# KiCad board BUDDY_v1.0.0.kicad_pcb (continued)
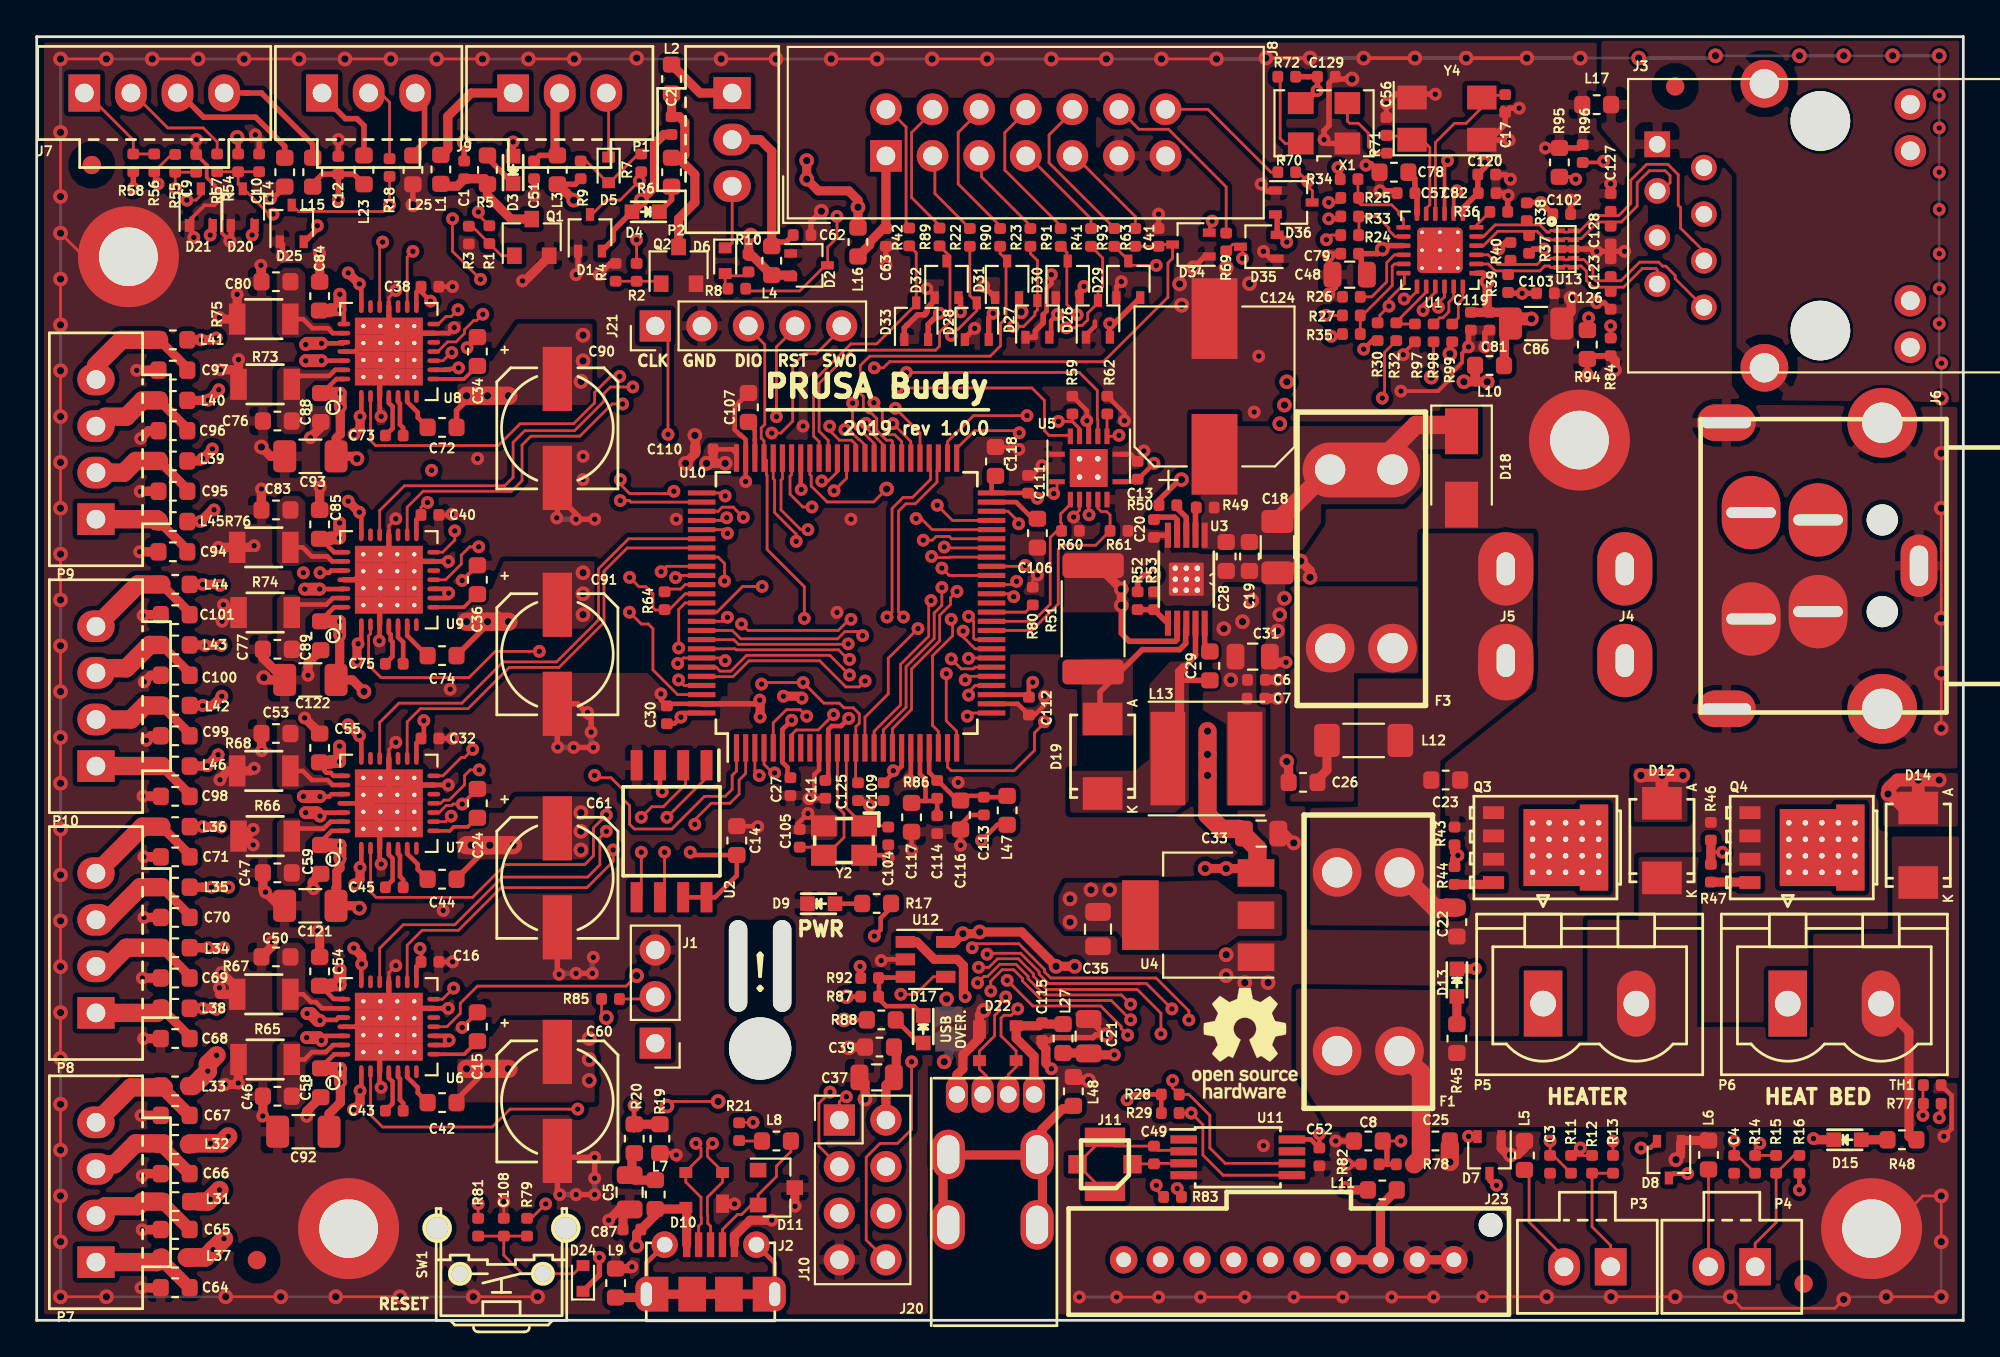
[diagram p0: board, top side]
## Routing (per net, layer and track width the routed paths; a pad name or vN(x,y) marks a point on that pad's centre or on a via; arc(x,y) is an arc through that point) (continued)
/CPU/BOOT0: length 63
  Top w0.15: v2(37.52,35.97) 37.37,36.12 U10.94 35.24,36.12 v2(34.93,35.82) ; v1(31.04,16.51) 30.79,16.76 R85.2
  In2.Cu w0.15: v2(37.52,35.97) 38.03,35.46 38.03,23.11 39.3,21.84 39.3,17.52 39.43,17.4 39.62,17.59 39.62,22.03 38.41,23.24 38.41,32.51 38.8,32.9 v2(39.43,32.9)
  In4.Cu w0.15: v1(31.04,16.51) 31.04,18.29 32.31,19.56 32.31,22.9 34.37,24.95 34.5,24.95 34.92,25.38 34.92,27.71 34.62,28.01 34.06,28.01 33.44,28.62 33.44,34.82 34.44,35.82 v2(34.93,35.82)
/CPU/NRST: length 97.3
  Top w0.15: v1(37.14,11.94) 34.6,11.94 v1(34.35,11.68) ; v2(27.74,6.35) 26.96,5.56 R79.2 ; v2(45.65,51.94) 46.14,51.94 46.48,52.28 58.14,52.28 61.65,55.79 61.65,57.66 61.91,57.91 D34.3 61.24,58.66 C41.1 R63.2 ; v2(40.31,49.27) 40.31,53.08 41.33,54.1 ; v2(39.51,34.69) 39.59,34.78 v2(41.77,34.78) 42.9,33.65 43.74,33.65 44,33.4 44.51,33.4 44.83,33.07 44.83,32.56 44.64,32.37 U10.14 44.63,31.21 44.63,29.44 C125.1
  In4.Cu w0.15: v1(37.14,11.94) 37.14,12.5 37.41,12.78 37.41,21.73 37.98,22.3 37.98,30.6 38.01,30.63 38.01,33.24 39.11,34.34 39.16,34.34 v2(39.51,34.69) ; v2(45.65,51.94) 45.3,52.29 43.14,52.29 41.33,54.1 ; v2(40.31,49.27) 42.15,47.44 42.15,45.68 42.24,45.58 42.24,45.21 42.91,44.55 42.91,42.01 42.41,41.51 42.41,38 41.77,37.36 v2(41.77,34.78) ; v2(27.74,6.35) 27.81,6.28 30.68,6.28 32.19,7.79 32.19,10.03 33.84,11.68 v1(34.35,11.68)
/CPU/PA4_THERM-1: length 63.8
  Top w0.15: R14.2 92.69,8.99 C4.2 v2(92.51,9.78) ; U10.29 51.14,34.62 50.79,34.27 v2(50.79,34.1)
  In4.Cu w0.15: v2(50.79,34.1) 51.17,34.1 54.09,31.18 54.09,30.13 56.69,27.52 75.11,27.52 76.58,26.05 76.58,24.95 76.6,24.93 76.6,13.24 79.43,10.41 91.88,10.41 v2(92.51,9.78)
/CPU/PA5_THERM-2: length 75.4
  Top w0.15: v2(50.6,34.92) 50.8,35.12 U10.30 ; 102.8,12.83 v2(102.8,11.17)
  In4.Cu w0.15: v2(50.6,34.92) 51.1,34.92 52.97,33.05 52.97,32.72 54.39,31.3 54.39,30.25 56.82,27.82 75.23,27.82 76.88,26.17 76.88,25.08 76.9,25.05 76.9,13.5 79.61,10.79 94.42,10.79 96.45,8.76 100.39,8.76 v2(102.8,11.17)
/CPU/PA6_THERM-PINDA: length 68.7
  Top w0.15: v2(49.85,36.07) 50.39,35.53 51.05,35.53 51.14,35.62 U10.31 ; v2(7.55,61.72) R55.2 C9.2
  In4.Cu w0.15: v2(7.55,61.72) 8.04,62.22 29.53,62.22 31.34,60.41 41.47,60.41 48.27,53.6 48.27,51.29 47.83,50.85 47.83,48.8 47,47.97 47,45.09 46.45,44.54 46.45,43.08 47.43,42.1 47.43,39.75 48.46,38.72 48.46,38.33 49.85,36.94 v2(49.85,36.07)
/CPU/PA8_Z-MIN: length 60
  Top w0.15: R57.2 R54.1 ; R54.1 10.98,61.96 D20.3 11.23,61.72 11.27,61.72 12.66,60.32 v2(12.88,60.32) ; R54.1 C10.1 ; U10.67 42.14,46.12 42.21,46.05 42.21,45.49 43.08,44.63 45.61,44.63 v1(46.32,45.34)
  In4.Cu w0.15: v2(12.88,60.32) 14.47,61.92 29.36,61.92 31.17,60.11 41.34,60.11 47.97,53.47 47.97,51.42 47.53,50.97 47.53,48.93 46.32,47.71 v1(46.32,45.34)
/CPU/PA9_USB-FS-VBUS: length 41.8
  Top w0.25: U10.68 41.64,45.33 v2(41.67,45.31) ; v2(32.56,11.71) 32.56,10.35
  Top w0.5: 32.44,10.69 33.84,10.69
  In4.Cu w0.25: v2(41.67,45.31) 40.17,43.81 40.17,37.68 36.61,34.13 36.61,22.95 36.11,22.44 36.11,15.26 v2(32.56,11.71)
/CPU/PA10_USB-FS-ID: length 42.9
  Top w0.15: v2(39.05,10.79) 38.31,10.79 R21.1 38.18,10.67 ; U10.69 41.14,46.12 41.06,46.04 41.06,45.05 41.76,44.35 v2(42.25,44.35)
  In4.Cu w0.15: v2(39.05,10.79) 37.14,10.79 36.38,11.56 36.38,13.5 37.11,14.23 37.11,21.85 37.65,22.39 37.65,33.74 41.17,37.27 41.17,40.7 42.61,42.13 42.61,44 v2(42.25,44.35)
/CPU/PB5: length 57
  Top w0.15: v2(52,17.95) 52,18.5 52.61,19.12 53.25,19.12 53.73,18.63 53.73,18.51 54.79,17.44 58.56,17.44 v2(59.62,16.39) ; U10.91 37.91,37.62 38.37,37.16 43.65,37.16 44.05,37.56 44.79,37.56 v2(45.01,37.34)
  In4.Cu w0.15: v2(45.01,37.34) 47.16,35.19 47.16,33.92 49.84,31.24 51.28,31.24 52.22,30.31 52.22,29.12 53.49,27.85 53.49,19.99 52,18.5 v2(52,17.95) ; v2(59.62,16.39) 60.38,15.63 60.38,4.16 J23.2
/CPU/PB8_SCL: length 68.4
  Top w0.15: v2(61.87,16.98) 60.48,18.37 55.14,18.37 54.63,18.88 54.63,19.01 53.62,20.02 51.85,20.02 v2(51.8,19.96) ; v2(44.3,35.19) 43.23,36.26 38.69,36.26 37.83,35.4 37.24,35.4 37.02,35.62 U10.95 ; U11.6 64.77,8.56 63.94,9.4 63.94,11.17 62.79,12.32 R28.1 61.91,12.68 v2(61.91,13.08)
  In4.Cu w0.15: v2(44.3,35.19) 44.65,35.54 45.28,35.54 46.26,34.57 46.26,33.34 49.39,30.21 50.79,30.21 51.24,29.76 51.24,28.49 52.55,27.17 52.55,20.33 52.19,19.96 v2(51.8,19.96) ; J23.5 65.59,4.95 63.3,4.95 62.79,5.46 62.79,7.75 61.91,8.63 v2(61.91,13.08) 61.91,16.95 v2(61.87,16.98)
/CPU/PB9_SDA: length 69.8
  Top w0.15: v2(62.79,16.38) 62.79,16.88 61,18.67 55.26,18.67 54.93,19 54.93,19.13 53.52,20.54 51.21,20.54 v2(50.98,20.32) ; U11.5 64.66,7.91 63.56,9.02 63.56,10.67 v2(62.92,11.3) R29.1 ; U10.96 36.26,35.1 37.95,35.1 38.81,35.96 42.68,35.96 44.1,34.54 44.83,34.54 v2(45.15,34.86)
  In4.Cu w0.15: J23.6 69.24,3.72 68.51,4.44 66.73,4.44 65.59,5.59 63.43,5.59 63.3,5.71 63.3,7.87 62.92,8.25 v2(62.92,11.3) 62.92,16.25 v2(62.79,16.38) ; v2(50.98,20.32) 51.3,20.32 51.56,20.57 52,20.57 52.25,20.83 52.25,27.05 50.86,28.45 50.86,29.72 50.66,29.91 49.26,29.91 45.15,34.03 v2(45.15,34.86)
/CPU/PB10_SCK2: length 23.4
  Top w0.15: v2(56.71,54.83) 56.14,55.39 56.14,58.23 R91.1 ; U10.47 49.91,43.62 v2(49.08,44.45)
  In4.Cu w0.15: v2(49.08,44.45) 49.63,45 49.63,50.11 50.07,50.55 50.07,51.38 52.02,53.32 53.62,53.32 53.84,53.55 56.38,53.55 56.71,53.87 v2(56.71,54.83)
/CPU/PC0_THERM-0: length 65.7
  Top w0.15: v2(82.48,9.78) C3.2 82.65,8.99 R11.2 ; U10.15 45.14,32.89 46.41,34.16 46.41,36.1 v2(48.03,37.72)
  In4.Cu w0.15: v2(82.48,9.78) 79.43,9.78 76.3,12.91 76.3,24.81 76.28,24.83 76.28,25.93 74.98,27.22 56.57,27.22 53.79,30 53.79,31.05 51.32,33.52 49.85,33.52 48.52,34.84 48.52,37.23 v2(48.03,37.72)
/CPU/PC10_SCK: length 27.2
  Top w0.15: U10.78 37.14,44.12 37.36,44.34 37.96,44.34 v2(38.51,43.79) ; 34.09,23.07 34.22,23.2 v2(34.22,25.53)
  In4.Cu w0.15: v2(34.22,25.53) 33.62,26.13 33.62,27.61 32.84,28.38 32.84,35.37 36.57,39.09 38,39.09 38.66,39.76 38.66,43.64 v2(38.51,43.79)
/CPU/PD0_X-DIR: length 25.8
  Top w0.15: 35.69,42.62 U10.81 32.26,42.62 30.62,40.98 30.62,38.19 28.33,35.9 25.42,35.9 23.17,33.65 19.74,33.65 18.69,32.6 18.69,30.64
/CPU/PD1_X-STEP: length 23.6
  Top w0.15: 20.19,30.64 20.19,32.64 20.91,33.35 23.5,33.35 25.76,35.6 28.46,35.6 30.92,38.06 30.92,40.86 32.18,42.12 U10.82
/CPU/PD2_Z-EN: length 49.5
  Top w0.15: U6.2 18.19,13.06 18.2,13.06 18.2,11.19 18.85,10.54 24.82,10.54 25.8,11.52 v2(29.49,11.52) ; v2(37.49,40.31) 37.49,41.27 37.14,41.62 U10.83
  In4.Cu w0.15: v2(29.49,11.52) 29.49,17.15 31.99,19.66 31.99,26.07 31.94,26.11 31.94,35.74 36.51,40.31 v2(37.49,40.31)
  Bottom w0.15: 37.48,40.17 37.48,40.31 v2(37.49,40.31)
/CPU/PD3_X-EN: length 34.9
  Top w0.15: 18.19,25.74 18.2,25.74 18.2,23.36 18.49,23.07 23.76,23.07 25.55,24.85 29.86,24.85 30.34,25.33 30.34,26.86 v2(31.04,27.56) ; U10.84 34.33,41.12 v2(34.03,40.83)
  In4.Cu w0.15: v2(34.03,40.83) 34.03,38.68 31.34,35.99 31.34,28.35 31.04,28.05 v2(31.04,27.56)
/CPU/PD4_Z-STEP: length 33.7
  Top w0.15: U10.85 34.93,40.62 v2(34.82,40.51) 34.82,40.61 34.83,40.62 ; U6.16 20.19,20.46 21,21.27 22.98,21.27 25.31,23.59 29.99,23.59 31.41,25.02 v2(31.41,25.65)
  In4.Cu w0.15: v2(34.82,40.51) 34.82,39.04 31.64,35.87 31.64,26.38 31.41,26.15 v2(31.41,25.65)
  Bottom w0.15: 34.85,40.64 34.82,40.61 v2(34.82,40.51)
/CPU/PD12_Y-DIR: length 36.2
  Top w0.15: v2(45.19,48.91) 45.19,48.69 46.14,47.74 U10.59 ; v2(32.49,50.9) 31.27,50.9 30.92,50.55 30.92,50.12 29.31,48.51 26.6,48.51 25.96,47.88 25.96,45.97 25.5,45.51 20.04,45.51 18.69,44.16 18.69,42.83
  In4.Cu w0.15: v2(45.19,48.91) 45.19,49.41 45.05,49.55 45.05,50.32 43.99,51.39 32.98,51.39 v2(32.49,50.9)
/CPU/PD13_Y-STEP: length 33.9
  Top w0.15: 45.65,47.03 U10.60 45.64,47.82 45.12,48.34 44.91,48.34 44.62,48.63 44.62,48.85 44.47,49 v2(44.47,50.02) ; v2(31.93,49.97) 31.36,49.97 29.6,48.21 26.93,48.21 26.45,47.73 26.45,45.79 25.87,45.21 21.06,45.21 20.19,44.34 20.19,42.83
  In4.Cu w0.15: v2(31.93,49.97) 32.5,49.97 33.62,51.09 43.4,51.09 v2(44.47,50.02)
  Bottom w0.15: v2(44.47,50.02) 44.47,50.02 44.56,50.02
/CPU/PD14_Y-EN: length 44.6
  Top w0.15: U9.2 18.19,37.44 18.09,37.33 18.09,35.72 18.76,35.05 23.56,35.05 24.99,36.48 v2(27.39,36.48) ; v2(44.04,48.57) 44.26,48.57 44.79,48.04 44.83,48.04 45.14,47.73 U10.61
  In4.Cu w0.15: v2(27.39,36.48) 30.98,36.48 33.16,38.65 33.16,49.27 34.67,50.79 42.32,50.79 44.04,49.06 v2(44.04,48.57)
/CPU/PD15_Z-DIR: length 55.3
  Top w0.15: U6.19 18.69,20.29 19.98,21.57 22.79,21.57 25.38,24.17 30.02,24.17 30.69,24.84 30.69,26.32 v2(31.04,26.67) ; v2(43.22,48.76) 43.22,48.52 43.75,47.99 44.41,47.99 44.64,47.76 U10.62
  In4.Cu w0.15: v2(43.22,48.76) 41.49,50.49 35.23,50.49 33.46,48.72 33.46,38.53 31.04,36.12 31.04,28.94 30.28,28.18 30.28,27.43 v2(31.04,26.67)
/CPU/PE0: length 59.4
  Top w0.15: v2(38.41,37.97) 38.76,37.62 43.69,37.62 44.29,38.23 v2(44.38,38.23) ; v2(52.89,18.54) 54.29,17.14 57.98,17.14 59.1,16.02 59.1,15.9 v2(59.45,15.55) ; v2(34.98,34.92) 35.29,34.62 U10.97
  In4.Cu w0.15: 59.11,3.43 J23.1 60,4.06 60,15.01 v2(59.45,15.55) ; v2(52.89,18.54) 53.81,19.46 53.81,28.03 52.52,29.33 52.52,30.43 51.37,31.58 50.01,31.58 47.46,34.13 47.46,35.82 45.05,38.23 v2(44.38,38.23) ; v2(38.41,37.97) 38.03,37.59 36,37.59 35.62,37.21 35.62,35.56 v2(34.98,34.92)
/CPU/PE1_Y-Diag: length 20.8
  Top w0.15: U9.11 22.28,40.38 23.14,41.24 23.14,41.73 23.6,42.18 v2(24.09,42.18) ; U10.98 34.93,34.12 33.58,35.47 33.58,37.72 33.33,37.97 32.95,37.97 v2(32.31,38.62)
  In4.Cu w0.15: v2(24.09,42.18) 29.63,42.18 32.31,39.5 v2(32.31,38.62)
/CPU/PE2_X-Diag: length 22.8
  Top w0.15: U7.11 22.01,28.19 22.19,28.37 22.48,28.37 23.32,29.21 23.32,29.71 23.62,30.02 v2(24.12,30.02) ; v2(30.41,29.72) 30.54,29.59 31.3,29.59 31.93,28.95 31.93,28.45 32.31,28.07 32.31,27.05 32.57,26.8 34.62,26.8 36.4,28.57 37.52,28.57 37.9,28.95 37.9,29.72 38.14,29.96 U10.1
  In4.Cu w0.15: v2(24.12,30.02) 30.11,30.02 v2(30.41,29.72)
/CPU/PE3_Z-Diag: length 28.4
  Top w0.15: U10.2 38.64,29.82 38.28,29.46 38.28,28.7 37.78,28.19 36.76,28.19 35.87,27.3 v2(35.87,27.05) ; U6.11 22.36,16.01 23.09,16.73 23.09,17.29 24.02,18.22 32.12,18.22 v1(32.69,18.8)
  In4.Cu w0.15: v2(35.87,27.05) 36.22,26.7 36.22,24.48 32.64,20.89 32.64,19.42 32.69,19.36 v1(32.69,18.8)
/CPU/PE4_USB-HS-OVERCURRENT: length 15.7
  Top w0.15: v2(39.38,29.71) 39.14,29.95 U10.3 ; 44.89,18.67 44.87,18.68 v2(44.87,19.3)
  In4.Cu w0.15: v2(39.38,29.71) 39.96,29.13 39.96,24.74 42.6,22.1 44,22.1 44.87,21.22 v2(44.87,19.3)
/CPU/PE5_USB-HS-PWR-EN: length 21
  Top w0.15: U10.4 39.64,30.32 40.11,29.85 v2(40.22,29.85) ; U12.4 48.86,18.73 47.91,17.78 v2(47.09,17.78)
  In4.Cu w0.15: v2(47.09,17.78) 47.09,18.27 47.17,18.35 47.17,20.83 45.6,22.4 42.96,22.4 40.26,25.1 40.26,29.31 40.22,29.35 v2(40.22,29.85)
/CPU/RX_1: length 59
  Top w0.15: R83.1 62.39,6.96 v2(62.16,7.19) ; v2(51.33,19.25) 51.9,19.25 52.36,19.72 53.5,19.72 54.33,18.88 54.33,18.75 55.04,18.04 59.98,18.04 61.27,16.75 v2(61.27,15.62) ; 36.28,36.58 U10.93 38.06,36.62 38.12,36.56 43.7,36.56 44.22,36.04 v2(44.3,36.04)
  In4.Cu w0.15: v2(44.3,36.04) 45.21,36.04 46.56,34.69 46.56,33.47 49.51,30.51 51.08,30.51 51.62,29.97 51.62,28.7 52.89,27.43 52.89,20.24 51.9,19.25 v2(51.33,19.25) ; v2(61.27,15.62) 61.33,15.56 61.33,8.02 v2(62.16,7.19) 62.16,5.33 63.05,4.44 64.09,4.44 J23.4 65.24,3.52
/CPU/SWCLK: length 13.2
  Top w0.15: v2(34.41,48.31) 34.41,53.55 33.71,54.24 ; 36.24,45.18 U10.76 37.36,45.12 v2(37.52,44.96)
  In4.Cu w0.15: v2(37.52,44.96) 35.87,44.96 34.41,46.42 v2(34.41,48.31)
/CPU/SWDIO: length 58.1
  Top w0.15: v2(41.83,38.28) 41.83,40.01 39.81,42.04 39.81,46.06 39.78,46.09 39.78,46.88 U10.72 39.64,47.96 39.49,48.11 39.49,48.66 39.68,48.86 39.68,53.21 38.79,54.1
  In4.Cu w0.15: v2(41.83,38.28) 41.47,37.91 41.47,35.95 40.06,34.54 40.06,32.26 38.28,30.48 38.28,22.86 39.3,21.84 39.3,17.52 39.43,17.4 39.68,17.65 39.68,22.1 38.66,23.11 38.66,30.35 40.44,32.13 40.44,33.4 40.7,33.65 v2(40.7,34.03)
/CPU/SWO: length 20.4
  Top w0.15: v2(39.54,40.02) 38.47,40.02 37.07,38.62 U10.89 ; 43.87,54.1 42.47,52.7 41.84,52.7 41.2,52.07 41.2,49.03 40.56,48.39 v2(40.06,48.39)
  In4.Cu w0.15: v2(39.54,40.02) 39.71,40.19 39.71,48.04 v2(40.06,48.39)
/CPU/TX_1: length 58.4
  Top w0.15: v2(61.02,7.36) 61.02,7.13 R83.2 ; U10.92 37.99,37.12 38.24,36.86 44.2,36.86 v2(44.23,36.89) ; v2(51.28,18.4) 51.63,18.75 51.82,18.75 52.49,19.42 53.37,19.42 54.03,18.76 54.03,18.63 54.92,17.74 59.11,17.74 v2(59.62,17.24)
  In4.Cu w0.15: 63.18,3.3 63.18,3.55 61.65,5.08 61.65,6.6 61.02,7.24 v2(61.02,7.36) 61.02,15.02 60.69,15.34 60.69,16.16 v2(59.62,17.24) ; v2(44.23,36.89) 44.53,36.58 45.09,36.58 46.86,34.81 46.86,33.71 49.71,30.86 51.24,30.86 51.92,30.18 51.92,28.83 53.19,27.56 53.19,20.12 51.82,18.75 51.63,18.75 v2(51.28,18.4)
/CPU/VREF+: length 5.5
  Top w0.25: 48.44,28.32 47.81,28.32 47.71,28.22 C117.1 ; 48.44,28.32 48.44,29.5 48.14,29.8 U10.21 ; 48.44,28.32 48.93,28.32 R86.1 49.08,27.81 ; 49.08,27.81 C114.1 ; 49.08,27.81 49.05,27.84
/ETHERNET/EPHY_RST: length 39.3
  Top w0.15: U1.15 76.23,56.07 75.56,55.4 v2(75.56,55.07) ; U10.39 53.09,39.62 v2(53.25,39.46)
  In4.Cu w0.15: v2(53.25,39.46) 52.63,40.07 52.63,48.86 53.07,49.3 53.07,50.14 53.47,50.54 59.1,50.54 61.44,52.88 63.98,52.88 65.22,54.11 69.26,54.11 69.44,53.94 69.44,53.93 70.29,53.08 71.3,53.08 71.94,53.72 74.2,53.72 v2(75.56,55.07)
/ETHERNET/ETH_LED1: length 36
  Top w0.2: U1.3 76.73,63.08 v2(76.89,63.24) ; R96.1 85.33,63.14 v2(85.4,63.21)
  In4.Cu w0.2: v2(76.89,63.24) 76.89,64.26 77.65,65.02 80.83,65.02 81.37,64.48 81.37,63.46 81.62,63.21 v2(85.4,63.21) 85.94,63.75 85.94,64.42 87.43,65.91 92.89,65.91 95.69,63.12 98.91,63.12 102.11,66.31
/ETHERNET/ETH_LED2: length 36.6
  Top w0.2: U1.2 77.23,61.42 v2(77.4,61.59) ; 86.03,53.57 85.94,53.57 85.78,53.73 v2(85.78,54.23)
  In4.Cu w0.2: 102.11,53.06 98.92,56.26 96.07,56.26 92.67,52.86 88.16,52.86 86.8,54.23 v2(85.78,54.23) 85.4,53.85 79.81,53.85 78.07,55.59 78.07,60.92 v2(77.4,61.59)
/ETHERNET/ETH_RMII_CRS_DV: length 37.1
  Top w0.15: U10.32 50.8,36.12 v2(50.79,36.1) ; v2(70.27,54.81) 70.28,54.8 R27.1
  In4.Cu w0.15: v2(50.79,36.1) 51.96,37.28 51.96,38.91 51.93,38.95 51.93,49.43 52.17,49.68 52.17,50.51 52.89,51.22 58.84,51.22 61.11,53.49 63.74,53.49 64.97,54.71 69.68,54.71 69.78,54.81 v2(70.27,54.81)
/ETHERNET/ETH_RMII_MDC: length 53.3
  Top w0.15: U1.13 75.23,56.12 74.81,55.7 v2(74.52,55.7) ; U10.16 45.64,32.12 47.08,33.56 47.08,35.77 48.61,37.3 48.61,39.12 v2(48.74,39.25)
  In4.Cu w0.15: v2(74.52,55.7) 74.17,56.05 73.12,56.05 72.46,55.39 69.67,55.39 69.29,55.01 64.84,55.01 63.62,53.79 60.98,53.79 58.72,51.52 52.76,51.52 51.87,50.64 51.87,49.8 51.63,49.55 51.63,38.82 51.66,38.79 51.66,37.64 50.86,36.83 50.39,36.83 49.09,38.12 49.09,38.9 v2(48.74,39.25)
/ETHERNET/ETH_RMII_MDIO: length 48
  Top w0.15: 73.21,54.39 73.21,54.82 v2(73.7,55.3) 73.7,55.68 74.54,56.53 74.54,57.1 ; v2(49.57,35.26) 49.57,32.69 50.14,32.12 U10.25
  In4.Cu w0.15: v2(73.7,55.3) 72.63,54.24 69.56,54.24 69.39,54.41 65.09,54.41 63.87,53.19 61.23,53.19 58.97,50.92 53.01,50.92 52.47,50.39 52.47,49.55 52.23,49.31 52.23,39.07 52.26,39.04 52.26,36.73 51.06,35.53 50.33,35.53 50.07,35.26 v2(49.57,35.26)
/ETHERNET/ETH_RMII_REF_CLK: length 46.2
  Top w0.15: U10.24 49.64,30.17 49.84,29.97 53.27,29.97 54.38,31.08 54.38,32.03 54.73,32.38 54.92,32.38 v2(54.92,32.64) ; v2(73.34,50.29) 73.46,50.42 73.46,52.79 R32.1 ; 74.22,53.42 74.22,53.21
  In4.Cu w0.15: v2(73.34,50.29) 70.67,50.29 68.64,52.32 67.24,52.32 65.97,51.05 63.18,51.05 59.11,46.99 59.11,45.72 58.35,44.96 56.7,44.96 55.94,44.19 55.94,33.65 v2(54.92,32.64)
/ETHERNET/ETH_RMII_RXD0: length 39.4
  Top w0.15: v2(50.49,37.58) 50.49,37.27 51.14,36.62 U10.33 ; 71.09,58.93 70.84,59.18 70.54,59.18 v2(70.29,58.93)
  In4.Cu w0.15: v2(50.49,37.58) 50.98,37.58 51.36,37.96 51.36,38.66 51.33,38.7 51.33,49.68 51.57,49.92 51.57,50.76 52.64,51.82 58.6,51.82 60.86,54.09 63.49,54.09 64.72,55.31 67,55.31 69.71,58.02 69.71,58.35 v2(70.29,58.93)
/ETHERNET/ETH_RMII_RXD1: length 40
  Top w0.15: U10.34 51.14,37.12 51.06,37.19 51.06,38.11 v2(50.79,38.39) ; 71.07,60.96 v2(70.41,60.96)
  In4.Cu w0.15: v2(70.41,60.96) 69.41,59.96 69.41,58.14 66.88,55.61 64.59,55.61 63.37,54.39 60.74,54.39 58.47,52.12 52.51,52.12 51.27,50.89 51.27,50.05 51.03,49.8 51.03,39.12 50.79,38.88 v2(50.79,38.39)
/ETHERNET/ETH_RMII_TX_EN: length 37.9
  Top w0.15: v2(53.52,43.44) 53.52,43.54 52.94,44.12 U10.48 ; U1.16 76.73,55.82 76.39,55.48 v2(76.39,55.25)
  In4.Cu w0.15: v2(76.39,55.25) 76.39,53.21 75.21,52.03 70.91,52.03 69.14,53.81 65.34,53.81 64.1,52.58 61.56,52.58 59.22,50.24 53.72,50.24 53.4,49.91 53.4,49.2 52.93,48.74 52.93,44.02 v2(53.52,43.44)
/ETHERNET/ETH_RMII_TXD0: length 31.5
  Top w0.15: v2(53.55,48.4) 53.44,48.51 51.11,48.51 50.14,47.54 U10.51 ; v1(76,51.43) 76.13,51.56 R98.1
  In4.Cu w0.15: v2(53.55,48.4) 54.21,48.4 55.45,49.64 59.47,49.64 61.81,51.98 64.35,51.98 65.59,53.21 68.89,53.21 70.67,51.43 v1(76,51.43)
/ETHERNET/ETH_RMII_TXD1: length 32.4
  Top w0.15: U10.52 49.64,47.92 51.06,49.33 v2(53.97,49.33) ; v1(77.02,52.7) 77.02,53.23 R99.1
  In4.Cu w0.15: v2(53.97,49.33) 54.57,49.94 59.35,49.94 61.69,52.28 64.23,52.28 65.46,53.51 69.01,53.51 70.79,51.73 75.38,51.73 76.35,52.7 v1(77.02,52.7)
/ETHERNET/RD_N: length 15.3
  Top w0.15: J3.6 88.57,61.59 89.02,62.04 89.02,62.42 88.76,62.69 87.89,62.69 87.23,62.03 87.23,60.76 86.36,59.89 85.09,59.89 84.19,58.99 84.02,58.99 83.94,58.92 U13.2 83.57,58.92 83.49,58.99 83.24,58.99 83.17,58.92 U13.2 82.51,58.92 82.44,58.99 82.16,58.99 81.77,59.39 79.63,59.39 78.85,58.6 U1.22 ; 81.21,59.16 81.21,59.39 ; C128.1 85.78,59.89
/ETHERNET/RD_P: length 19.8
  Top w0.15: R38.2 81.21,59.74 ; U1.23 78.85,59.1 79.49,59.74 81.92,59.74 82.31,59.34 82.44,59.34 82.51,59.42 U13.1 83.17,59.42 83.24,59.34 83.49,59.34 83.57,59.42 U13.1 83.94,59.42 84.02,59.34 84.05,59.34 84.95,60.24 86.22,60.24 86.88,60.9 86.88,62.17 87.74,63.04 88.9,63.04 89.46,62.48 89.46,60.81 89.59,60.68 89.59,59.56 90.22,58.92 90.23,58.92 90.86,58.29 J3.3 ; C127.1 85.78,60.25
/ETHERNET/TD_N: length 12.7
  Top w0.15: C126.1 85.78,56.34 ; J3.2 88.32,57.28 88.25,57.35 87.5,57.35 86.49,56.34 84.82,56.34 84.46,56.7 84.46,57.2 84.17,57.49 84.02,57.49 83.94,57.42 U13.5 83.57,57.42 83.49,57.49 83.24,57.49 83.17,57.42 U13.5 82.51,57.42 82.44,57.49 82.18,57.49 81.92,57.23 79.49,57.23 79.11,57.6 U1.20 ; R39.2 80.19,57.23
/ETHERNET/TD_P: length 15.6
  Top w0.15: U1.21 79.1,58.1 79.63,57.58 81.77,57.58 82.04,57.84 82.44,57.84 82.51,57.92 U13.4 83.17,57.92 83.24,57.84 83.49,57.84 83.57,57.92 U13.4 83.94,57.92 84.02,57.84 84.32,57.84 84.81,57.35 84.81,56.84 84.96,56.69 86.34,56.69 87.36,57.7 88.4,57.7 88.62,57.48 88.79,57.48 89.3,56.98 89.3,56.8 J3.1 ; 80.19,57.81 80.19,57.59 ; C123.1 85.78,56.69
/FANS/FAN-0-TACH: length 41.5
  Top w0.15: v2(49.33,41.02) 49.73,40.62 U10.41 ; 32.95,62.21 R7.1 32.95,62.24 32.85,62.13 v2(32.84,62.13) 31.8,61.09 31.04,61.09 30.28,60.32 30.16,60.32
  In4.Cu w0.15: v2(32.84,62.13) 34.27,60.71 41.59,60.71 48.57,53.72 48.57,51.17 48.13,50.73 48.13,48.68 47.3,47.85 47.3,44.97 46.75,44.42 46.75,43.2 47.73,42.23 47.73,41.85 48.55,41.02 v2(49.33,41.02)
/FANS/FAN-1-TACH: length 33.2
  Top w0.15: v2(43.62,60.2) 43.62,59.03 43.11,58.53 43.11,57.53 42.98,57.53 41.59,56.13 38.64,56.13 ; v2(48.32,42.54) 48.81,42.54 49.02,42.75 49.74,42.75 49.86,42.62 U10.45 ; 38.79,56.16 38.81,56.13
  In4.Cu w0.15: v2(43.62,60.2) 43.62,59.18 48.87,53.92 48.87,51.04 48.43,50.6 48.43,48.55 47.6,47.72 47.6,44.84 47.05,44.29 47.05,43.32 47.84,42.54 v2(48.32,42.54)
/FLASH/FLASH-CSN: length 18
  Top w0.15: 36.63,30.27 36.63,29.72 v2(34.35,27.43) ; U10.88 35.34,39.12 34.99,38.77 v2(34.99,36.67)
  In4.Cu w0.15: v2(34.35,27.43) 34.21,27.43 33.14,28.5 33.14,35.11 34.35,36.32 34.64,36.32 v2(34.99,36.67)
/FLASH/MISO: length 25.7
  Top w0.15: v2(32.95,27.43) 33.52,28.01 34.15,28.01 35.36,29.22 35.36,30.27 ; U10.79 37.46,43.62 v2(37.61,43.77)
  In4.Cu w0.15: v2(37.61,43.77) 37.96,43.42 38,43.42 38.36,43.05 38.36,39.88 37.87,39.39 36.44,39.39 32.54,35.5 32.54,27.84 v2(32.95,27.43)
/FLASH/MOSI: length 25.1
  Top w0.15: v2(37.65,42.92) 37.44,43.12 U10.80 ; v2(32.95,25.53) 32.95,23.2 32.82,23.07
  In4.Cu w0.15: v2(32.95,25.53) 32.24,26.23 32.24,35.62 36.33,39.71 37.73,39.71 38.06,40.04 38.06,42.5 v2(37.65,42.92)
/LEVEL_CONVERTER/BED-HEAT: length 12.6
  Top w0.15: U10.35 54.23,37.62 55.67,39.06 55.67,42.03 55.91,42.27 57.71,42.27 R61.2 58.5,43.92 58.31,44.11 58.01,44.11 57.83,44.29 U5.12
/LEVEL_CONVERTER/FAN-0: length 15.8
  Top w0.15: 58.12,49.53 58.33,49.31 U5.2 58.93,48.21 v2(58.98,48.26) ; U10.42 53.82,41.12 v2(53.88,41.17)
  In4.Cu w0.15: v2(58.98,48.26) 55.56,48.26 53.65,46.35 53.65,44.7 54.46,43.89 54.46,41.75 v2(53.88,41.17)
/LEVEL_CONVERTER/FAN-1: length 15
  Top w0.15: v2(53.4,40.3) 53.23,40.12 U10.40 ; R59.2 56.44,49.03 56.83,48.64 U5.5 56.83,48.61 56.42,49.02 v2(55.68,49.02)
  In4.Cu w0.15: v2(55.68,49.02) 55.33,48.67 55.33,48.45 53.35,46.47 53.35,44.58 54.16,43.77 54.16,42.29 53.27,41.4 53.27,40.93 53.4,40.79 v2(53.4,40.3)
/LEVEL_CONVERTER/HEAT-0: length 9.8
  Top w0.15: U10.36 54.3,38.12 55.24,39.05 55.24,42.69 55.85,43.31 ; 56.33,44.5 55.81,43.98 55.81,43.52 55.85,43.47 R60.2
/PERIPHERALS/ESP-GPIO0: length 36.8
  Top w0.15: v2(43.24,12.44) 42.63,11.84 42.63,9.49 J10.3 ; v2(41.97,32.94) 41.61,33.3 40.86,33.3 40.14,32.58 U10.5
  In4.Cu w0.15: v2(43.24,12.44) 44.38,13.59 46.28,13.59 47.67,14.97 47.67,20.84 45.81,22.7 43.4,22.7 40.56,25.53 40.56,29.24 41.97,30.65 v2(41.97,32.94)
/PERIPHERALS/ESP-RST: length 34.5
  Top w0.15: v2(43.43,33.03) 42.59,32.19 41.39,32.19 41.14,31.94 U10.7
  In4.Cu w0.15: J10.4 47.49,9.59 47.49,12.38 48.83,13.72 48.83,20.95 46.18,23.6 43.77,23.6 41.46,25.91 41.46,28.7 43.43,30.67 v2(43.43,33.03)
/PERIPHERALS/ESP-Rx: length 46.7
  Top w0.15: U10.63 44.14,45.92 v2(43.45,45.24) ; 43.74,10.67 43.52,10.9 ; J10.1 43.74,11.92 44.01,12.19 v2(44.12,12.19)
  In4.Cu w0.15: v2(43.45,45.24) 43.8,44.89 43.8,42.06 43.01,41.26 43.01,37.75 42.73,37.47 42.73,33.46 42.84,33.34 42.84,30.63 41.16,28.95 41.16,25.78 43.64,23.3 46.06,23.3 48.53,20.82 48.53,13.85 47.51,12.82 44.76,12.82 v2(44.12,12.19) ; 43.56,11.43 43.52,11.39 43.52,10.9
/PERIPHERALS/ESP-Tx: length 52.1
  Top w0.15: v2(42.79,45.77) 43.13,45.77 43.64,46.27 U10.64 ; J10.8 45.21,4.38 45.21,8.9 45.96,9.65 46.92,9.65 47.68,10.41 v2(47.68,14.1)
  In4.Cu w0.15: v2(42.79,45.77) 42.79,45.09 43.21,44.67 43.21,41.88 42.71,41.39 42.71,37.88 42.35,37.51 42.35,33.41 42.54,33.22 42.54,30.76 40.86,29.08 40.86,25.66 43.52,23 45.94,23 48.03,20.9 48.03,14.45 v2(47.68,14.1)
/PERIPHERALS/FILAMENT_SENSOR: length 48.5
  Top w0.15: R18.2 v2(19.23,60.83) 18.87,60.47 14.27,60.47 13.9,60.83 ; v2(37.64,38.34) 37.42,38.12 U10.90 ; v2(24.19,56.77) 22.66,58.29 v2(22.66,60.07) ; v2(34.73,45.21) 34.6,45.08 32.31,45.08 31.81,45.59 v2(31.81,45.85)
  In4.Cu w0.15: v2(34.73,45.21) 35.56,44.38 38.73,44.38 39.3,43.81 39.3,40.63 38.96,40.29 38.96,39.6 38.05,38.69 37.99,38.69 v2(37.64,38.34) ; v2(31.81,45.85) 31.17,45.21 27.79,45.21 26.95,46.05 26.95,53.63 24.19,56.39 v2(24.19,56.77) ; v2(22.66,60.07) 19.99,60.07 v2(19.23,60.83)
/PERIPHERALS/LCD-BUZZER: length 48.2
  Top w0.15: U10.23 49.14,32.12 48.82,32.44 48.82,36.24 49.91,37.33 49.91,38.17 49.89,38.17 v2(49.84,38.23) ; 68.64,62.61 68.76,62.61 v2(69.27,62.1) ; v2(69.27,62.1) 69.27,61.85 69.53,61.59 69.53,61.09 69.4,60.96 ; v2(69.27,62.1) 69.12,62.1
  In4.Cu w0.15: v2(69.27,62.1) 68.92,61.75 68.92,58.08 66.76,55.91 64.47,55.91 63.29,54.74 60.66,54.74 58.35,52.42 52.39,52.42 50.97,51.01 50.97,50.17 50.73,49.93 50.73,39.37 50.19,38.83 50.19,38.58 v2(49.84,38.23)
/PERIPHERALS/LCD-CS: length 15
  Top w0.15: 47.94,55.51 47.94,58.21 R42.1 ; U10.66 42.64,47.92 42.34,48.22 42.34,51.22 44.37,53.25 45.78,53.25 48.04,55.51
/PERIPHERALS/LCD-RS: length 19.8
  Top w0.15: R90.1 52.51,58.17 52.83,57.85 52.83,54.64 52.53,54.34 52.53,53.14 51.96,52.58 45.4,52.58 44.89,52.07 44.89,50.55 45.05,50.38 45.05,49.76 45.32,49.49 45.47,49.49 45.78,49.17 45.78,48.52 46.31,47.99 46.56,47.99 46.64,47.92 U10.58
/PERIPHERALS/LCD-RST: length 17.6
  Top w0.15: R89.1 49.77,58.02 49.77,54.45 49.21,53.88 49.21,53.12 48.99,52.91 44.45,52.91 42.64,51.09 42.64,48.48 43.14,47.99 U10.65
/PERIPHERALS/LCD-SW1: length 23.7
  Top w0.15: v2(49.84,53.71) 50.19,54.06 50.23,54.06 51.24,55.06 51.24,55.51 ; v2(48.77,41.66) 48.83,41.6 49.74,41.6 49.76,41.62 U10.43 ; 51.24,55.5 50.86,55.88 50.86,58.67
  In4.Cu w0.15: v2(48.77,41.66) 48.77,42.15 48.88,42.27 48.88,42.44 49.15,42.71 49.15,42.74 48.74,43.15 47.65,43.15 47.35,43.45 47.35,44.17 47.9,44.72 47.9,47.6 48.73,48.43 48.73,50.48 49.17,50.92 49.17,53.04 v2(49.84,53.71)
/PERIPHERALS/LCD-SW2: length 23.2
  Top w0.15: U10.46 48.8,43.12 48.18,43.74 48.16,43.72 v2(47.93,43.72) ; 54.57,55.59 54.54,55.62 ; v2(53.22,54.2) 53.78,54.2 54.4,54.82 54.4,54.97 54.54,55.11 D27.3 54.54,57.79 54.16,58.17 R23.2
  In4.Cu w0.15: v2(47.93,43.72) 47.93,44.22 48.2,44.49 48.2,47.47 49.03,48.3 49.03,50.35 49.47,50.79 49.47,51.63 52.04,54.2 v2(53.22,54.2)
/PERIPHERALS/LCD-SW3: length 26.2
  Top w0.15: v2(49.46,42.17) 49.51,42.12 U10.44 ; v2(56.1,54.12) 56.6,54.12 56.73,54.26 56.98,54.26 57.28,54.55 57.28,54.92 57.84,55.48 D26.3 57.84,56.11 58.09,56.36 58.09,57.93 R41.2